# Altium PCB Volant_v2.PcbDoc (part 2 of 2)
Units mil, origin at the board's own origin, x right, y up, seen from the top; angles counter-clockwise.
Board outline 7710.03 x 3391.11 mil, 4 copper layers (Top Layer, POWER, GND, Bottom Layer), stack 30.634 mil thick; 133 components, 111 nets, 604 pads, 109 vias.
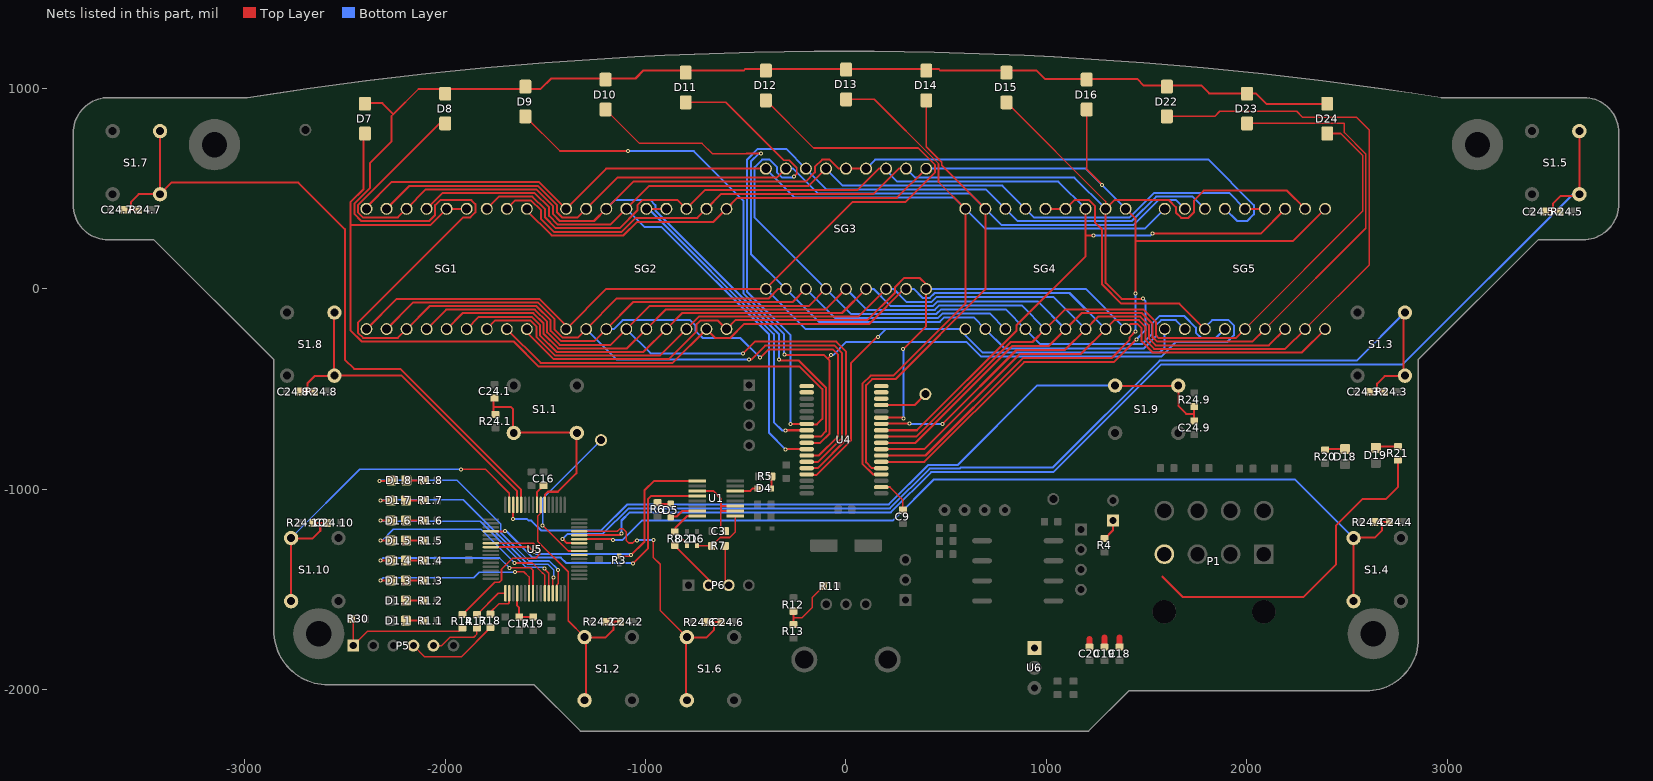
[diagram p4: the nets of this part, all layers, seen from the top]

## Via types
v1: diameter 20, hole 10, Top Layer to Bottom Layer, 109 vias

## Nets (pads, with @x,y where several pads share a name; then routed paths per layer and width w, separated by ;. In a path a pad name is that pad's centre, name@x,y a point inside that pad or via, vN(x,y) a via of type N, cw(c..) or ccw(c..) an arc to the next point about the centre after c; other vN are vias at no path point) (continued)
LED3: D1.3.K U5.23 | length 906.3
  Top Layer w8: v1@-1653,-1413 v1(-1651,-1413) -1649,-1411 -1607,-1411 -1581,-1437 U5.23@-1581,-1517.83
  Top Layer w10: v1(-2323,-1455) D1.3.K@-2270.5,-1455
  Bottom Layer w8: v1(-2323,-1455) -2308,-1440 -1857,-1440 -1830,-1413 v1(-1651,-1413)
LED4: D1.4.K U5.24 | length 959.9
  Top Layer w8: v1(-1679,-1391) -1573,-1391 -1561.32,-1402.68 U5.24@-1561.32,-1517.83
  Top Layer w10: v1(-2323,-1355) D1.4.K@-2270.5,-1355
  Bottom Layer w8: v1(-2323,-1355) -2310,-1342 -1728,-1342 v1(-1679,-1391)
LED5: D1.5.K U5.27 | length 1084.4
  Top Layer w8: v1(-1653,-1367) -1564.11,-1367 -1514.11,-1417 -1512,-1417 -1502.26,-1426.74 U5.27@-1502.26,-1517.83 U5.27@-1504.04,-1516.06
  Top Layer w10: v1(-2323,-1255) D1.5.K@-2270.5,-1255
  Bottom Layer w8: v1(-2323,-1255) -2314,-1255 -2258,-1199 -1821,-1199 v1(-1653,-1367)
LED6: D1.6.K U5.28 | length 1102
  Top Layer w8: v1(-1505,-1395) -1482.57,-1417.43 U5.28@-1482.57,-1517.83
  Top Layer w10: v1(-2323,-1155) D1.6.K@-2270.5,-1155
  Bottom Layer w8: v1(-2323,-1155) -2319,-1159 -1824.37,-1159 -1594.37,-1389 -1511,-1389 v1(-1505,-1395)
LED7: D1.7.K U5.29 | length 1182.6
  Top Layer w8: U5.29@-1462.89,-1517.83 -1462.89,-1444.89 v1(-1458,-1440)
  Top Layer w10: v1(-2323,-1055) D1.7.K@-2270.5,-1055
  Bottom Layer w8: v1(-2323,-1055) -2319,-1051 -1909.74,-1051 -1587.74,-1373 -1486.63,-1373 -1458,-1401.63 v1(-1458,-1440)
LED8: D1.8.K U5.30 | length 1285.2
  Top Layer w8: v1(-2328,-958) -2271.5,-958 D1.8.K@-2268.5,-955 ; U5.30@-1443.2,-1517.83 -1441.43,-1516.06 -1441.43,-1474.98 -1436,-1469.56 v1(-1436,-1401)
  Bottom Layer w8: v1(-2328,-958) -2324,-954 -1940,-954 -1722,-1172 -1722,-1216.11 -1581.11,-1357 -1480,-1357 v1(-1436,-1401)
MCLR: P5.1 R14.2 R30.1 | length 716.4
  Top Layer w8: R30.1@-2465.46,-1646 -2458,-1653.46 P5.1@-2458,-1779 -2387,-1708 -1930.54,-1708 R14.2@-1914,-1691.46
NetC3_1: C3.1 U1.3 U1.10 U1.11 | length 467.3
  Top Layer w8: -624,-1108 -624,-1184.54 C3.1@-586.77,-1221.77
  Top Layer w10: U1.3@-741.95,-1007.5 -662.5,-1007.5 -624,-1046 -624,-1082.5 ; U1.10@-552.98,-1107.5 -623.5,-1107.5 -624,-1108 -624,-1082.5 ; U1.11@-552.98,-1082.5 -624,-1082.5
NetC16_2: C16.2 U5.56 | length 110
  Top Layer w10: U5.56@-1541.63,-1076.89 -1541.63,-1014.45 C16.2@-1508.01,-980.83
NetC17_2: C17.2 R19.1 U5.20 | length 192.9
  Top Layer w10: U5.20@-1640.06,-1517.83 -1640.06,-1579.94 -1630,-1590 C17.2@-1630,-1636.54 R19.1@-1560,-1636.54
NetD1.1_A: D1.1.A R1.1.1 | length 89
  Top Layer w10: D1.1.A@-2195.5,-1655 R1.1.1@-2106.46,-1655
NetD1.2_A: D1.2.A R1.2.1 | length 89
  Top Layer w10: D1.2.A@-2195.5,-1555 R1.2.1@-2106.46,-1555
NetD1.3_A: D1.3.A R1.3.1 | length 89
  Top Layer w10: D1.3.A@-2195.5,-1455 R1.3.1@-2106.46,-1455
NetD1.4_A: D1.4.A R1.4.1 | length 89
  Top Layer w10: D1.4.A@-2195.5,-1355 R1.4.1@-2106.46,-1355
NetD1.5_A: D1.5.A R1.5.1 | length 89
  Top Layer w10: D1.5.A@-2195.5,-1255 R1.5.1@-2106.46,-1255
NetD1.6_A: D1.6.A R1.6.1 | length 89
  Top Layer w10: D1.6.A@-2195.5,-1155 R1.6.1@-2106.46,-1155
NetD1.7_A: D1.7.A R1.7.1 | length 89
  Top Layer w10: D1.7.A@-2195.5,-1055 R1.7.1@-2106.46,-1055
NetD1.8_A: D1.8.A R1.8.1 | length 87
  Top Layer w10: D1.8.A@-2193.5,-955 R1.8.1@-2106.46,-955
NetD4_A: D4.A R5.1 | length 61.4
  Top Layer w10: D4.A@-374,-995 -370.54,-991.54 R5.1@-370.54,-935
NetD4_K: D4.K U1.14 | length 117.2
  Top Layer w10: U1.14@-552.98,-1007.5 -477.5,-1007.5 -465,-995 D4.K@-440.93,-995
NetD5_A: D5.A R6.1 | length 68.1
  Top Layer w10: R6.1@-940,-1066.54 -935,-1071.54 D5.A@-874,-1071.54
NetD5_K: D5.K U1.7 | length 144.9
  Top Layer w10: D5.K@-874,-1138.46 -870.54,-1135 -844,-1135 -816.5,-1107.5 U1.7@-741.95,-1107.5
NetD6_K: D6.K R7.1 U1.9 | length 300.3
  Top Layer w8: D6.K@-744,-1280.43 -671.03,-1280.43 R7.1@-669.46,-1282 -627.15,-1239.69 -580.44,-1239.69 -552.98,-1212.22 U1.9@-552.98,-1132.5
NetD18_A: D18.A R20.1 | length 101.7
  Top Layer w10: R20.1@2390,-802.54 2394.04,-798.5 D18.A@2490,-798.5
NetD19_A: D19.A R21.1 | length 112.5
  Top Layer w10: D19.A@2643,-792.5 2648.96,-786.54 R21.1@2753,-786.54
NetD21_K: D21.K R8.1 U1.8 | length 245.4
  Top Layer w8: R8.1@-850.54,-1215 -794,-1271.54 D21.K@-794,-1280.43
  Top Layer w10: R8.1@-850.54,-1215 -850.54,-1191.54 -791.5,-1132.5 U1.8@-741.95,-1132.5
NetJP1_1: JP1.1 R4.1 | length 107.9
  Top Layer w10: R4.1@1290,-1245.54 1332,-1203.54 JP1.1@1332,-1155
NetR11_2: R11.2 R12.1 R13.2 | length 312.4
  Top Layer w8: R13.2@-262,-1674.54 -262,-1641 ; R12.1@-262,-1607.46 -262,-1641 ; R11.2@-111.46,-1482 -169,-1539.54 -169,-1589 -221,-1641 -262,-1641
NetR14_1: R14.1 U5.7 | length 822.4
  Top Layer w8: R14.1@-1914,-1624.54 -1752.37,-1462.91 -1729.1,-1462.91 -1718.61,-1452.42 -1718.61,-1397.61 -1664,-1343 -1548,-1343 -1529,-1324 -1529,-1299 -1560.17,-1267.83 U5.7@-1771.94,-1267.83
NetR17_2: R17.2 U5.17 | length 186.1
  Top Layer w8: R17.2@-1841,-1624.54 -1734.3,-1517.83 U5.17@-1699.11,-1517.83
NetR18_2: R18.2 U5.18 | length 171.7
  Top Layer w8: R18.2@-1774,-1622.54 -1774,-1612.41 -1732.76,-1571.17 -1685.21,-1571.17 -1681.2,-1567.16 -1681.2,-1519.61 U5.18@-1679.43,-1517.83
NetTP4_1: TP4.1 U5.40 | length 781.2
  Top Layer w8: v1(-1513,-1180) -1385.8,-1307.2 U5.40@-1331,-1307.2
  Bottom Layer w8: v1(-1513,-1180) -1513,-1045 TP4.1@-1222,-754
O0: D7.A SG1.13 SG1.14 SG3.16 SG4.16 SG5.16 U4.7 | length 8349.4
  Top Layer w10: D7.A@-2407,768 -2407,497 -2472,432 -2472,319 ; SG1.13@-1892,400 SG1.14@-1992,400 -2072,320 -2471,320 -2472,319 ; v1(-276,-674) -275.26,-673.26 U4.7@-196.02,-673.26 -194.28,-675 -145,-675 -118,-648 -118,-500 -231,-387 -1533.28,-387 -1658.28,-262 -2415.6,-262 -2472,-205.6 -2472,319
  Bottom Layer w10: v1(-276,-674) -276,-231 -494,-13 -494,645.28 -440.78,698.5 -298.5,698.5 SG3.16@-200,600 -95.47,495.47 699.53,495.47 SG4.16@795,400 857,338 1424.26,338 1547.26,461 1729,461 SG5.16@1790,400
O1: SG2.13 SG2.14 U4.8 | length 1640.7
  Top Layer w10: SG2.14@-996,400 SG2.13@-896,400 ; v1(-301,-706) -299.76,-704.76 U4.8@-196.02,-704.76
  Bottom Layer w10: SG2.14@-996,400 -985.1,400 -360,-225.1 -360,-664 -318,-706 v1(-301,-706) ; SG2.13@-896,375 SG2.13@-896,400
O2: D8.A SG1.16 SG2.16 SG3.13 SG3.14 SG5.15 U4.9 | length 7691.8
  Top Layer w10: D8.A@-1999.5,825.75 -2027.06,825.75 -2435,417.81 -2435,382.19 -2409.81,357 -2235,357 SG1.16@-2192,400 -2095.47,496.53 -1545.44,496.53 -1461,412.09 -1461,373.08 -1426.92,339 -1257,339 SG2.16@-1196,400 -1061,535 -201.36,535 -155,581.36 -155,608.64 -118.64,645 -81.36,645 -36.36,600 SG3.14@0,600 SG3.13@100,600 ; v1(-335,-352) -335,-355.72 -333.72,-357 -234.46,-357 -100,-491.46 -100,-710.58 -125.67,-736.25 U4.9@-196.02,-736.25
  Bottom Layer w10: SG2.16@-1196,400 -1151,445 -977.36,445 -951,418.64 -951,391.36 -335,-224.64 v1(-335,-352) ; SG3.13@100,600 145,645 1808.64,645 2035,418.64 2035,372 2002,339 1951,339 SG5.15@1890,400
O3: D9.A SG4.13 SG4.14 SG5.3 U4.10 | length 6502.5
  Top Layer w8: D9.A@-1599.5,860.75 -1426.75,688 v1(-1087,688)
  Top Layer w10: v1(-308,-328) -307.28,-328.72 -110.72,-328.72 -92,-347.43 ; U4.10@-196.02,-767.75 -128.88,-767.75 -82,-720.86 -82,-357.43 -92,-347.43 ; v1@-74.28,-329.72 -92,-347.43 ; SG4.14@995,400 SG4.13@1095,400 1140,445 1142,443 1212.81,443 1243,412.81 1243,331 1277,297 1277,23.54 1373.54,-73 1663,-73 SG5.3@1790,-200
  Bottom Layer w10: v1(-1087,688) -759,688 -512,441 -512,-22 -309,-225 v1@-309,-328 ; v1(-74,-330) -64,-330 2,-264 600.72,-264 674.72,-338 1572.28,-338 1645.76,-264.53 1901.47,-264.53 1934.53,-231.47 1934.53,-181.56 1908.44,-155.47 1826.53,-155.47 1790,-192 SG5.3@1790,-200
O4: SG1.15 SG2.15 SG3.15 SG4.15 SG5.13 SG5.14 U4.11 | length 6294.3
  Top Layer w10: SG1.15@-2092,400 -2092,400.46 -2013.93,478.53 -1552.89,478.53 -1481,406.63 -1481,364.79 -1437.21,321 -1175,321 SG2.15@-1096,400 -982,514 -186,514 SG3.15@-100,600 ; v1(-302,-800) -301.24,-799.24 U4.11@-196.02,-799.24 ; SG5.14@1990,400 SG5.13@2090,400
  Bottom Layer w10: SG2.15@-1096,400 -1006,310 -920.55,310 -384,-226.55 -384,-718 v1(-302,-800) ; SG3.15@-104,597 SG3.15@-101,600 ; SG3.15@-100,600 -15.47,515.47 779.53,515.47 SG4.15@895,400 939,356 1413.97,356 1536.97,479 1911,479 SG5.14@1990,400
O5: D7.K D8.K D9.K D10.K D11.K D12.K D13.K D14.K D15.K D16.K D22.K D23.K D24.K SG1.3 SG2.3 SG3.3 SG4.3 U4.12 | length 12682.9
  Top Layer w8: -2267,736 -2267,863 -2258,872 -2132,998
  Top Layer w10: D7.K@-2391.73,947 -2371.73,927 -2313,927 -2258,872 ; -2267,736 -2373.73,629.27 -2373.73,504.81 -2453,425.54 -2453,374.73 -2417.27,339 -2079,339 -2049,369 -2049,418 -2024,443 -1869.32,443 -1849,422.68 -1849,382.19 -1874.19,357 -1910,357 -2434.53,-167.53 -2434.53,-217.62 -2408.14,-244 -2236,-244 SG1.3@-2192,-200 -2077,-85 -1545.03,-85 -1473,-157.03 -1473,-208.6 -1421.07,-260.53 -1256.53,-260.53 SG2.3@-1196,-200 -1061,-65 -265,-65 SG3.3@-200,0 ; -2132,998 -1523,998 -1471,1050 -1050,1050 -1010,1090 -510,1090 -503,1097 463,1097 470,1090 950,1090 992,1048 1452,1048 1486,1014 1774,1014 1812,976 2044,976 2097,923 2382.22,923 D24.K@2391.73,913.48 ; v1(-428,-343) -386,-301 -67,-301 -39,-329 -39,-734.43 -135.31,-830.74 U4.12@-196.02,-830.74
  Bottom Layer w10: SG2.3@-1196,-200 -1158.97,-200 -1114.44,-155.47 -777.56,-155.47 -751.47,-181.56 -751.47,-207.5 -714.44,-244.53 -526.47,-244.53 v1(-428,-343) ; SG3.3@-200,0 -55.47,-144.53 459.86,-144.53 482.39,-122 717,-122 SG4.3@795,-200
O6: D10.A SG1.2 SG2.2 SG3.2 SG4.2 SG5.2 U4.13 | length 8165.7
  Top Layer w8: D10.A@-1199.5,895.75 -1029.75,726 -718,726 -667.5,675.5 -496.46,675.5
  Top Layer w10: SG1.2@-2292,-200 -2159,-67 -1537.58,-67 -1455,-149.58 -1455,-201.14 -1413.62,-242.53 -1338.53,-242.53 SG2.2@-1296,-200 -1143,-47 -384.03,-47 -337.03,0 SG3.2@-300,0 ; -496.46,675.5 v1(-424.5,675.5) ; v1(-483,-352) -472.36,-352 -403.36,-283 -56.72,-283 -19,-320.72 -19,-742.72 -138.52,-862.24 U4.13@-196.02,-862.24
  Bottom Layer w10: SG2.2@-1296,-200 -1144,-352 v1(-483,-352) ; v1(-424.5,675.5) -435.5,675.5 -474,637 -474,174 SG3.2@-300,0 -135.47,-164.53 468.15,-164.53 490.68,-142 637,-142 SG4.2@695,-200 793,-298 1484,-298 1545.47,-236.53 1545.47,-181.56 1571.56,-155.47 1645.47,-155.47 SG5.2@1690,-200
O7: D11.A SG1.4 SG2.4 SG3.4 SG4.4 SG5.4 U4.14 | length 8189.6
  Top Layer w8: D11.A@-799.5,930.75 -599.75,930.75 -311,642 -282.6,642 -245,604.4 -245,574
  Top Layer w10: SG1.4@-2092,-200 -1995,-103 -1552.49,-103 -1491,-164.49 -1491,-216.05 -1428.53,-278.53 -1174.53,-278.53 SG2.4@-1096,-200 -980,-84 -184,-84 SG3.4@-100,0 ; v1(-513,-321) -455,-263 -48.43,-263 1,-312.43 1,-751 -141.73,-893.73 U4.14@-196.02,-893.73 ; v1(-260,560) -259,560 -245,574
  Bottom Layer w10: SG2.4@-1096,-200 -975,-321 v1(-513,-321) ; v1(-260,560) -265,555 -318.64,555 -345,581.36 -345,608.64 -381.36,645 -418.64,645 -456,607.64 -456,356 SG3.4@-100,0 24.53,-124.53 451.58,-124.53 474.11,-102 797,-102 SG4.4@895,-200 970,-275 1476.47,-275 1525.47,-226 1525.47,-173.27 1563.27,-135.47 1688.44,-135.47 1745.47,-192.5 1745.47,-218.44 1771.56,-244.53 1845.47,-244.53 SG5.4@1890,-200
O8: D12.A SG1.1 SG2.1 SG3.1 SG4.1 SG5.1 U4.15 | length 7478.9
  Top Layer w8: D12.A@-399.5,940.75 -161.75,703 359.97,703 444.53,618.44
  Top Layer w10: SG1.1@-2392,-200 -2241,-49 -1530.12,-49 -1396,-183.12 SG2.1@-1396,-200 -1196,0 SG3.1@-400,0 34,434 296.97,434 444.53,581.56 444.53,618.44 ; U4.15@-196.02,-925.23 -196.02,-926.98 -146.69,-926.98 24,-756.28 24,-370 155,-239 v1(160,-239) v1@160,-236
  Bottom Layer w10: SG3.1@-400,0 -200,-200 199,-200 ; v1(160,-239) 199,-200 ; SG5.1@1590,-200 1590,-292 1564,-318 683,-318 595,-230 SG4.1@595,-200 199,-200
O9: D13.A SG1.18 SG2.18 SG3.18 SG4.18 SG5.18 U4.22 | length 6891.5
  Top Layer w8: D13.A@0.5,945.75 141.26,945.75 461.53,625.49 461.53,533.47 SG4.18@595,400
  Top Layer w10: SG1.18@-2392,400 -2392,408 -2267.47,532.53 -1530.53,532.53 -1408.15,410.15 -1408.15,400 SG2.18@-1396,400 -1196,600 SG3.18@-400,600 ; U4.22@176.02,-925.23 134.77,-925.23 82,-872.46 82,-472.54 122.54,-432 236.72,-432 595,-73.72 SG4.18@595,400
  Bottom Layer w10: SG3.18@-400,600 -255.47,455.47 539.53,455.47 SG4.18@595,400 693,302 1492,302 SG5.18@1590,400
O10: D14.A SG1.17 SG2.17 SG3.17 SG4.17 SG5.17 U4.23 | length 6731.9
  Top Layer w8: D14.A@400.5,940.75 400.5,709.14 477.53,632.11 477.53,617.47 SG4.17@695,400
  Top Layer w10: SG1.17@-2292,400 -2177.47,514.53 -1537.98,514.53 -1441,417.54 -1441,381.36 -1416.64,357 -1339,357 SG2.17@-1296,400 -1141,555 -345,555 SG3.17@-300,600 ; U4.23@176.02,-893.73 128.73,-893.73 100,-865 100,-480 130,-450 247,-450 695,-2 SG4.17@695,400
  Bottom Layer w10: SG3.17@-300,600 -263.64,600 -139.11,475.47 619.53,475.47 SG4.17@695,400 775,320 1434.54,320 1557.54,443 1647,443 SG5.17@1690,400
O11: D15.A SG1.11 SG2.11 SG3.11 SG4.11 SG5.11 U4.24 | length 7617.4
  Top Layer w8: D15.A@800.5,930.75 1295,436.25 SG4.11@1295,400
  Top Layer w10: SG1.11@-1692,400 -1649.47,442.53 -1571.56,442.53 -1521,391.97 -1521,348.22 -1457.78,285 -1119.08,285 -1049.08,355 -741,355 SG2.11@-696,400 -622,474 137.64,474 263.64,600 SG3.11@300,600 ; U4.24@176.02,-862.24 390.5,-862.24 888.21,-364.53 1335.47,-364.53 v1(1448,-252) ; 1376.56,444.53 1413.44,444.53 ; v1@1482,-49 1375,-49 1295,31 SG4.11@1295,400 1340,445 1608.64,445 1645,408.64 1645,381.36 1671.36,355 1708.64,355 1735,381.36 1735,441 1784,490 2200,490 SG5.11@2290,400
  Bottom Layer w10: SG3.11@300,600 344.53,555.47 1139.53,555.47 SG4.11@1295,400 ; v1(1448,-252) 1493,-207 1493,-59 v1(1482,-48)
O12: D16.A SG1.10 SG2.10 SG3.10 SG4.10 SG5.10 U4.25 | length 6860.2
  Top Layer w8: D16.A@1200.5,895.75 1200.5,600.5 1199,599 1278,520 v1(1278,519) v1@1280,517
  Top Layer w10: SG1.10@-1592,400 -1592,390.94 -1468.06,267 -1110,267 -1042,335 -661,335 SG2.10@-596,400 -542,454 254,454 SG3.10@400,600 ; U4.25@176.02,-830.74 396.54,-830.74 882.75,-344.53 1324.47,-344.53 1415,-254 1415,-241 v1(1444,-212) ; SG4.10@1395,400 1445,350 v1(1445,-22) ; 1445,239 2229,239 SG5.10@2390,400 SG5.10@2391.73,401.73
  Bottom Layer w10: SG3.10@400,600 1195,600 SG4.10@1395,400 ; v1(1444,-212) 1444,-23 v1(1445,-22)
O13: D22.A SG1.8 SG2.8 SG3.8 SG4.8 SG5.8 U4.26 | length 8053.2
  Top Layer w8: D22.A@1600.5,860.75 1838.75,860.75 1864,886 2248,886 2277,857 2546,857 2610,793 2610,120 SG5.8@2290,-200
  Top Layer w10: SG1.8@-1692,-200 -1523,-369 -865,-369 SG2.8@-696,-200 -651.47,-244.53 -577.56,-244.53 -507.03,-174 117.26,-174 291.26,0 SG3.8@300,0 ; U4.26@176.02,-799.24 391.11,-799.24 865.83,-324.53 1170.47,-324.53 SG4.8@1295,-200 1339,-156 1460.63,-156 1493,-188.37 1493,-254.37 1537.63,-299 2191,-299 SG5.8@2290,-200
  Bottom Layer w10: SG3.8@300,0 337.03,0 381.56,-44.53 418.44,-44.53 442.97,-20 1115,-20 SG4.8@1295,-200
O14: D23.A SG1.6 SG2.6 SG3.6 SG4.6 SG5.6 U4.27 | length 7417.3
  Top Layer w8: D23.A@2000.5,825.75 2486.25,825.75 2486.25,780.38 2593,673.63 2593,303 SG5.6@2090,-200
  Top Layer w10: SG1.6@-1892,-200 -1831,-139 -1567.4,-139 -1527,-179.4 -1527,-230.97 -1443.44,-314.53 -1010.53,-314.53 SG2.6@-896,-200 -816,-120 -20,-120 SG3.6@100,0 ; U4.27@176.02,-767.75 346.79,-767.75 830.01,-284.53 1010.47,-284.53 SG4.6@1095,-200 1175,-120 1475.54,-120 1529,-173.46 1529,-239.46 1552.54,-263 2027,-263 SG5.6@2090,-200
  Bottom Layer w10: SG3.6@100,0 137.03,0 221.56,-84.53 435.01,-84.53 457.54,-62 957,-62 SG4.6@1095,-200
O15: D24.A SG1.5 SG2.5 SG3.5 SG4.5 SG5.5 U4.28 | length 6871.9
  Top Layer w8: SG5.5@1990,-200 2577,387 2577,667 2468.25,775.75 D24.A@2400.5,775.75
  Top Layer w10: SG1.5@-1992,-200 -1913,-121 -1559.95,-121 -1509,-171.95 -1509,-223.51 -1435.98,-296.53 -1092.53,-296.53 SG2.5@-996,-200 -898,-102 -102,-102 SG3.5@0,0 ; U4.28@176.02,-736.25 350,-736.25 821.73,-264.53 930.47,-264.53 SG4.5@995,-200 1093,-102 1483,-102 1547,-166 1547,-232 1560,-245 1945,-245 SG5.5@1990,-200
  Bottom Layer w10: SG3.5@0,0 104.53,-104.53 443.3,-104.53 465.82,-82 877,-82 SG4.5@995,-200
O16: SG1.12 SG2.12 SG3.12 SG4.12 SG5.12 U4.29 | length 6048
  Top Layer w10: SG1.12@-1792,400 -1731.47,460.53 -1564.1,460.53 -1501,397.43 -1501,356.51 -1447.49,303 -1129.36,303 -1041,391.36 -1041,418.64 -1014.64,445 -841,445 SG2.12@-796,400 -702,494 57.64,494 163.64,600 SG3.12@200,600 ; U4.29@176.02,-704.76 353.22,-704.76 850.47,-207.5 850.47,-181.56 1195,162.97 1195,268 ; SG4.12@1195,400 1195,268 ; v1(1234,267) 1196,267 1195,268 ; v1(1529,276) 2069,276 2190,397 SG5.12@2190,400
  Bottom Layer w10: SG3.12@200,600 200,592 256.53,535.47 1059.53,535.47 SG4.12@1195,400 ; v1(1234,267) 1520,267 v1(1529,276)
O17: SG1.7 SG2.7 SG3.7 SG4.7 SG5.7 U4.30 | length 5735.6
  Top Layer w10: SG1.7@-1778,-186 SG1.7@-1792,-200 -1749,-157 -1574.86,-157 -1545,-186.86 -1545,-238.42 -1450.89,-332.53 -928.53,-332.53 SG2.7@-796,-200 -734,-138 62,-138 SG3.7@200,0 ; U4.30@176.02,-673.26 177.28,-672 v1(316,-672) ; v1(482,-673) 850.47,-304.53 1090.47,-304.53 SG4.7@1195,-200 1257,-138 1468.09,-138 1511,-180.91 1511,-246.91 1545.09,-281 2109,-281 SG5.7@2190,-200
  Bottom Layer w10: SG3.7@200,0 237.03,0 301.56,-64.53 426.73,-64.53 450.26,-41 1036,-41 SG4.7@1195,-200 ; v1(316,-672) 317,-673 v1(482,-673)
O18: SG1.9 SG2.9 SG3.9 SG4.9 SG5.9 U4.31 | length 5376.1
  Top Layer w10: SG1.9@-1592,-200 -1592,-216.88 -1458.35,-350.53 -883.56,-350.53 -745,-211.97 -745,-176 -726.47,-157.47 -638.53,-157.47 SG2.9@-596,-200 -552,-156 106.97,-156 244.53,-18.44 244.53,9.53 289,54 369,54 400,23 SG3.9@400,0 400,-185 v1(285,-300) ; U4.31@176.02,-641.76 283.76,-641.76 v1(287,-645) ; SG4.9@1395,-200 1421,-174 1453.18,-174 1475,-195.82 1475,-261.82 1530.18,-317 2273,-317 SG5.9@2390,-200
  Bottom Layer w10: v1(285,-300) 287,-302 v1(287,-645) ; SG3.9@400,0 1195,0 SG4.9@1395,-200
OSC: U5.39
OSC_LD: C9.2 U4.20 | length 183.8
  Top Layer w8: 218.31,-988.22 284,-1053.91 C9.2@284,-1102.54
  Top Layer w10: U4.20@176.02,-988.22 218.31,-988.22
OSC_OUT: TP5.1 U4.33 | length 242.2
  Top Layer w10: U4.33@176.02,-578.77 342.23,-578.77 TP5.1@396,-525
OUT3: C24.1.2 R24.1.2 S1.1.1 U5.54 | length 1097.5
  Top Layer w10: C24.1.2@-1758,-544.46 -1758,-590 ; R24.1.2@-1749,-625.54 -1758,-616.54 -1758,-590 ; S1.1.1@-1678.37,-733 S1.1.1@-1660.48,-715.11 ; U5.54@-1502.26,-1076.89 -1502.26,-1027.26 -1486.54,-1011.54 -1437.54,-1011.54 -1345.52,-919.52 -1345.52,-715.11 S1.1.1@-1660.48,-715.11 ; -1758,-590 -1669.96,-590 -1660.48,-599.48 S1.1.1@-1660.48,-715.11
OUT4: C24.2.2 R24.2.2 S1.2.1 U5.55 | length 1333
  Top Layer w8: U5.55@-1521.94,-1076.89 -1523.72,-1078.67 -1523.72,-1119.74 -1537,-1133.02 -1537,-1259.43 -1385.93,-1410.5 -1385.93,-1654.7 S1.2.1@-1304.11,-1736.52
  Top Layer w10: S1.2.1@-1298.11,-2042.48 -1298.11,-1737.52 -1198.52,-1737.52 -1161,-1700 -1161,-1660 ; R24.2.2@-1197.54,-1660 C24.2.2@-1124.46,-1660
OUT5: C24.3.2 R24.3.2 S1.3.1 U5.42 | length 5349.9
  Top Layer w10: v1(-1414,-1247) -1393.48,-1267.52 U5.42@-1331,-1267.52 ; C24.3.2@2612.57,-512.48 2649.11,-512.48 ; R24.3.2@2685.65,-512.48 2649.11,-512.48 ; S1.3.1@2782.11,-431.85 S1.3.1@2782.11,-119.52 ; S1.3.1@2789.11,-431.85 2792.22,-434.96 2686.63,-434.96 2649.11,-472.48 2649.11,-512.48
  Bottom Layer w10: v1(-1414,-1247) -1389,-1222 -1212.46,-1222 -1084.46,-1094 218.72,-1094 416.72,-896 566.72,-896 572.72,-890 1032.54,-890 1564.54,-358 2547.63,-358 S1.3.1@2788.11,-117.52
OUT6: C24.4.2 R24.4.2 S1.4.1 U5.43 | length 4690.6
  Top Layer w10: U5.43@-1322.24,-1248 -1167,-1248 v1(-1162,-1253) ; S1.4.1@2531.78,-1240.04 2637.37,-1240.04 2674.89,-1202.52 2674.89,-1162.52 ; S1.4.1@2531.89,-1557.48 S1.4.1@2531.89,-1242.52 ; R24.4.2@2638.35,-1162.52 C24.4.2@2711.43,-1162.52
  Bottom Layer w10: v1@-1162,-1252 v1(-1162,-1253) -1116,-1253 -1017,-1154 235.09,-1154 439.09,-950 2239.37,-950 S1.4.1@2531.89,-1242.52
OUT7: C24.5.2 R24.5.2 S1.5.1 U5.44 | length 6317.9
  Top Layer w10: U5.44@-1331,-1228.46 -1330.54,-1228 -1129,-1228 v1(-1120,-1219) ; C24.5.2@3489.35,385.52 3525.89,385.52 ; R24.5.2@3562.43,385.52 3525.89,385.52 ; S1.5.1@3658.11,472.52 S1.5.1@3658.11,787.48 ; S1.5.1@3669,463.04 3563.41,463.04 3525.89,425.52 3525.89,385.52
  Bottom Layer w10: v1(-1120,-1219) -1120,-1155 -1079,-1114 224.18,-1114 424.18,-914 1034,-914 1572,-376 2778,-376 3626.52,472.52 S1.5.1@3658.11,472.52
OUT8: C24.6.2 R24.6.2 S1.6.1 U5.45 | length 1558.3
  Top Layer w8: U5.45@-1331,-1208.78 -1140.89,-1208.78 -1129.11,-1197 -1110.89,-1197 -1097,-1210.89 -1097,-1254.11 -1084.11,-1267 -1063.48,-1267 -1051.48,-1255 v1(-1043,-1255) ; v1(-961,-1252) -961,-1339 -927,-1373 -927,-1603.63 -797.11,-1733.52 S1.6.1@-794.11,-1736.52
  Top Layer w10: S1.6.1@-797.11,-2036.48 S1.6.1@-797.11,-1733.52 ; S1.6.1@-796.11,-1738.52 -796.11,-1739 -696.41,-1739 -658.89,-1701.48 -658.89,-1661.48 ; R24.6.2@-695.43,-1661.48 C24.6.2@-622.35,-1661.48
  Bottom Layer w8: v1(-1043,-1255) -1040,-1252 v1(-961,-1252)
OUT9: C24.7.2 R24.7.2 S1.7.1 U5.60 | length 3502.5
  Top Layer w10: C24.7.2@-3602.54,395 R24.7.2@-3529.46,395 ; -3566,395 -3566,435 -3528.48,472.52 -3422.89,472.52 S1.7.1@-3421.89,473.52 ; S1.7.1@-3421.89,787.48 S1.7.1@-3421.89,473.52 ; U5.60@-1620.37,-1076.89 -1620.37,-1002.63 -2224,-399 -2454,-399 -2500,-353 -2500,298 -2732,530 -3365.41,530 S1.7.1@-3421.89,473.52
OUT10: C24.8.2 R24.8.2 S1.8.1 U5.61 | length 1809.7
  Top Layer w10: C24.8.2@-2723.65,-511.52 R24.8.2@-2650.57,-511.52 ; -2687.11,-511.52 -2687.11,-471.52 -2649.59,-434 -2544,-434 S1.8.1@-2542.89,-432.89 ; S1.8.1@-2553.89,-432.89 S1.8.1@-2553.89,-117.52 ; S1.8.1@-2553.89,-432 -2216.46,-432 -1640.06,-1008.4 U5.61@-1640.06,-1076.89
OUT11: C24.9.2 R24.9.2 S1.9.1 U5.62 | length 4011.8
  Top Layer w10: v1(-1660,-1147) -1660,-1077.15 U5.62@-1659.74,-1076.89 ; S1.9.1@1330.52,-484.89 S1.9.1@1645.48,-484.89 ; S1.9.1@1659.48,-479.43 1659.48,-585.02 1697,-622.54 1737,-622.54 ; C24.9.2@1737,-659.07 R24.9.2@1737,-586
  Bottom Layer w10: v1(-1660,-1147) -1592,-1147 -1583,-1156 -1569.54,-1156 -1521.54,-1204 -1219.91,-1204 -1089.91,-1074 213.27,-1074 409.27,-878 556.43,-878 952.54,-481.89 1333.89,-481.89 S1.9.1@1361,-509
OUT12: C24.10.2 R24.10.2 S1.10.1 U5.63 | length 1928
  Top Layer w8: v1(-1920,-900) -1798,-900 -1679.43,-1018.57 U5.63@-1679.43,-1076.89
  Top Layer w10: S1.10.1@-2768.11,-1557.48 S1.10.1@-2768.11,-1246.58 ; S1.10.1@-2768.11,-1242.52 S1.10.1@-2768.11,-1246.58 ; R24.10.2@-2659.16,-1166.69 -2622.62,-1166.69 ; C24.10.2@-2586.09,-1166.69 -2622.62,-1166.69 ; S1.10.1@-2768.11,-1246.58 -2765.73,-1244.2 -2660.14,-1244.2 -2622.62,-1206.69 -2622.62,-1166.69
  Bottom Layer w8: S1.10.1@-2768.11,-1242.52 -2425.59,-900 v1(-1920,-900)
P0: U4.1
P1: U4.2
P2: U4.34
P3: U4.35
P4: U4.36
PGEC: P5.5 R17.1 | length 270.6
  Top Layer w8: P5.5@-2058,-1779 -2016.73,-1779 -1975.2,-1737.47 -1857.47,-1737.47 -1841,-1721 R17.1@-1841,-1691.46
PGED: P5.4 R18.1 | length 466.7
  Top Layer w8: P5.4@-2158,-1779 -2103,-1834 -1918.54,-1834 R18.1@-1774,-1689.46
UART_RXD: U1.4 U5.4 | length 1384
  Top Layer w10: U5.4@-1771.94,-1208.78 -1701.78,-1208.78 v1(-1700,-1207) ; v1@-1066.5,-1365.5 -1058.5,-1365.5 -987,-1294 -987,-1047 -972.5,-1032.5 U1.4@-741.95,-1032.5
  Bottom Layer w10: v1(-1700,-1207) -1696,-1207 -1563,-1340 -1422,-1340 -1395,-1367 -1065,-1367 v1(-1063,-1369)
UART_TXD: R3.2 U1.1 U5.8 | length 1401.8
  Top Layer w8: R3.2@-1131,-1332.32 -1077.32,-1332.32 v1@-1073,-1328
  Top Layer w10: U5.8@-1763.35,-1287.52 -1579.48,-1287.52 v1(-1554,-1313) ; v1@-1073,-1328 -1005,-1260 -1005,-1005 -957.5,-957.5 U1.1@-741.95,-957.5
  Bottom Layer w10: v1(-1554,-1313) -1546,-1321 -1079,-1321 v1(-1072,-1328)
USB_D+: P6.2 R8.2 | length 273.6
  Top Layer w10: R8.2@-854,-1278.46 R8.2@-852.03,-1280.43 ; R8.2@-845.03,-1273.43 -845.03,-1289.97 -685,-1450 P6.2@-685,-1478
USB_D-: P6.3 R7.2 | length 203.3
  Top Layer w8: R7.2@-602.54,-1282 -602.54,-1460.46 P6.3@-585,-1478
VBAT: C18.2 C19.2 C20.2 P1.4 R21.2 U6.1 | length 1839.7
  Top Layer w10: 1214,-1744 1215,-1745 ; 1290,-1738 1292,-1736 ; 1365,-1738 1370,-1733 ; 1578.94,-1435 1680.94,-1537 2281,-1537 2445,-1373 2445,-1179 2577,-1047 2694,-1047 2754,-987 R21.2@2754,-856
  Top Layer w30: C20.2@1215,-1786.54 1215,-1745 ; C19.2@1290,-1786.54 1290,-1738 ; C18.2@1365,-1786.54 1365,-1738
pads on no net: C1.0 C2.0 C3.0 C4.0 C5.0 C6.0 C7.0 C8.0 C9.0 C10.0 C11.0 C12.0 C13.0 C14.0 C16.0 C17.0 C18.0 C19.0 C20.0 C21.0 C22.0 C24.1.0 C24.2.0 C24.3.0 C24.4.0 C24.5.0 C24.6.0 C24.7.0 C24.8.0 C24.9.0 C24.10.0 C25.1.0 C25.2.0 D1.1.0 D1.2.0 D1.3.0 D1.4.0 D1.5.0 D1.6.0 D1.7.0 D1.8.0 D3.0 D4.0 D5.0 D6.0 D7.0 D8.0 D9.0 D10.0 D11.0 D12.0 D13.0 D14.0 D15.0 D16.0 D18.0 D19.0 D21.0 D22.0 D23.0 D24.0 P1. P5.6 R1.1.0 R1.2.0 R1.3.0 R1.4.0 R1.5.0 R1.6.0 R1.7.0 R1.8.0 R2.1.0 R2.2.0 R3.0 R4.0 R5.0 R6.0 R7.0 R8.0 R9.0 R10.0 R11.0 R12.0 R13.0 R14.0 R17.0 R18.0 R19.0 R20.0 R21.0 R24.1.0 R24.2.0 R24.3.0 R24.4.0 R24.5.0 R24.6.0 R24.7.0 R24.8.0 R24.9.0 R24.10.0 R30.0 SW-ROT.3 SW-ROT.4 SW-ROT.5 U1.2 U1.6 U1.15 U1.16 U5.15 U5.16 U5.34 U5.64

## Polygon pours and split planes (outlines as drawn)
VBAT on Top Layer "Top Layer-No Net" (solid, remove dead copper, pour order 8): 865,-1820 890,-1845 895,-1850 1005,-1850 1070,-1850 1090,-1830 1170,-1750 1415,-1750 1544.5,-1545.5 1675,-1490 1675,-1316 1629,-1270 1465,-1270 1135,-1600 1025,-1600 865,-1760
3V3 on POWER (split plane): 266 vertices, not listed, extent -3834.99,-2184.92 3834.99,1166.1
GND on GND (split plane): 266 vertices, not listed, extent -3834.99,-2184.92 3834.99,1166.1

## Keep-outs
Keep-Out Layer:
  lines w15: -1554.99,-1975.01 -2582.05,-1975.01 cw(c-2582.05,-1702.05) -2855.02,-1702.05 -2855.02,-352.08 -3452.08,244.98 -3679.77,244.98 cw(c-3679.77,420.23) -3855.01,420.23 -3855.01,776.48 cw(c-3676.48,776.48) -3676.48,955.02 -2986.44,955.02 cw(c-8.17,-18121.97) 2969.67,955.08 ; -1324.99,-2205.02 1209.98,-2205.02 1410,-2005 2155.03,-2005 2595,-2005 ccw(c2595.74,-1745.73) 2855.02,-1746.47 2855.02,-352.08 3452.08,244.98 3675.68,244.98 ccw(c3675.68,424.32) 3855.01,424.32 3855.02,779.96 ccw(c3679.96,779.96) 3679.96,955.01 2969.89,955.02

## Other copper
POWER (plane layer: these items are gaps in the copper):
  pour cut-out: 642,-1043 642,-1053 667,-1078 667,-1128 632,-1163 627,-1158 557,-1158 527,-1128 527,-1068 552,-1043
  pour cut-out: 985,-1940 985,-1950 1010,-1975 1010,-2025 975,-2060 970,-2055 900,-2055 870,-2025 870,-1965 895,-1940

## Silkscreen, mask and mechanical layers (free items; w line width, h text height)
Top Overlay:
  lines w8: -579,-516 -677,-516 -677,-765 -578,-765 -578,-516 ; 491,-1403 393,-1403 393,-1594 492,-1594 492,-1403 ; 1395,-1404 1297,-1404 1297,-1653 1396,-1653 1396,-1404
  lines w10: -2749,850 -2639,850 -2639,912 -2749,912 -2749,850 ; -2277,-826 -2277,-814 -2277,-399.25 -2043,-399.25 -2043,-826 -2277,-826 ; 300,-465 532,-465 532,-405 300,-405 300,-465 ; 2345,-1016 2345,-661 2552,-661 2552,-1016 2345,-1016 ; 2593,-1010 2798,-1010 2798,-655 2593,-655 2593,-1010
  text "Status" at -2260,-448 h35
  text "ERROR" at -2260,-498 h35
  text "CAN" at -2260,-548 h35
  text "CS" at -658,-570 h40
  text "Debug4" at -2260,-598 h35
  text "DO" at -658,-626 h40
  text "Debug3" at -2260,-648 h35
  text "CK" at -661,-686 h40
  text "Debug2" at -2260,-698 h35
  text "RGB 2016" at 745.45,-712 h60
  text "24V" at 2613,-735 h60
  text "DI" at -658,-745 h40
  text "3V3" at 2370,-746 h60
  text "Debug1" at -2260,-748 h35
  text "Volant6 v1" at 612,-791 h60
  text "Debug0" at -2260,-798 h35
  text "RES" at 1284,-936 h35
  text "TERM" at 1265,-987 h35
  text "D+ D- 5V" at -688,-1415 h30
  text "GD" at 412,-1457 h40
  text "5V" at 1316,-1458 h40
  text "RX" at 412,-1513 h40
  text "CH" at 1316,-1514 h40
  text "TX" at 409,-1573 h40
  text "CL" at 1313,-1574 h40
  text "GD" at 1316,-1633 h40
Mechanical 1:
  lines w47.24: 2595,-2005 ccw(c2595.74,-1745.73) 2855.02,-1746.47 2855.02,-352.08 3452.08,244.98 3675.68,244.98 ccw(c3675.68,424.32) 3855.01,424.32 3855.02,779.96 ccw(c3679.96,779.96) 3679.96,955.01 2969.89,955.02 2969.67,955.08 ccw(c-8.17,-18121.97) -2986.44,955.02 -3676.48,955.02 ccw(c-3676.48,776.48) -3855.01,776.48 -3855.01,420.23 ccw(c-3679.77,420.23) -3679.77,244.98 -3452.08,244.98 -2855.02,-352.08 -2855.02,-1702.05 ccw(c-2582.05,-1702.05) -2582.05,-1975.01 -1554.99,-1975.01 -1324.99,-2205.02 1209.98,-2205.02 1410,-2005 2595,-2005 ; 2595,-2005 2595,-2005
Drill Drawing:
  lines w47.24: -1553.98,-1974.02 -1322.99,-2205.02 1209.98,-2205.02 1410,-2005 ; -3855.01,420.23 ccw(c-3679.77,420.23) -3679.77,244.98 ; -3855.01,420.23 ccw(c-3679.77,420.23) -3679.77,244.98 ; -3855.01,420.23 -3855.01,776.48 ; -3855.01,420.23 -3855.01,776.48 ; -3855.01,776.48 cw(c-3676.48,776.48) -3676.48,955.02 ; -3855.01,776.48 cw(c-3676.48,776.48) -3676.48,955.02 ; -3679.77,244.98 -3452.08,244.98 ; -3679.77,244.98 -3452.08,244.98 ; -3676.48,955.02 -2986.44,955.02 ; -3676.48,955.02 -2986.44,955.02 ; -3452.08,244.98 -2855.02,-352.08 ; -3452.08,244.98 -2855.02,-352.08 ; -2986.44,955.02 cw(c-8.17,-18121.97) 2969.67,955.08 ; -2986.44,955.02 cw(c-8.17,-18121.97) 2969.67,955.08 ; -2855.02,-1702.05 ccw(c-2582.05,-1702.05) -2582.05,-1975.01 ; -2855.02,-1702.05 ccw(c-2582.05,-1702.05) -2582.05,-1975.01 ; -2855.02,-1702.05 -2855.02,-352.08 ; -2855.02,-1702.05 -2855.02,-352.08 ; -2582.05,-1975.01 -1554.99,-1975.02 -2582.05,-1975.01 ; 1410,-2005 2595,-2005 ; 1410,-2005 2595,-2005 ; 2595,-2005 ccw(c2595.74,-1745.73) 2855.02,-1746.47 ; 2595,-2005 ccw(c2595.74,-1745.73) 2855.02,-1746.47 ; 2595,-2005 2595,-2005 ; 2595,-2005 2595,-2005 ; 2855.02,-1746.47 2855.02,-352.08 ; 2855.02,-1746.47 2855.02,-352.08 ; 2855.02,-352.08 3452.08,244.98 ; 2855.02,-352.08 3452.08,244.98 ; 2969.67,955.08 2969.89,955.02 ; 2969.67,955.08 2969.89,955.02 ; 2969.89,955.02 3679.96,955.02 ; 2969.89,955.02 3679.96,955.02 ; 3452.08,244.98 3675.68,244.98 ; 3452.08,244.98 3675.68,244.98 ; 3675.68,244.99 ccw(c3675.68,424.32) 3855.01,424.32 ; 3675.68,244.99 ccw(c3675.68,424.32) 3855.01,424.32 ; 3679.96,955.01 cw(c3679.96,779.96) 3855.01,779.96 ; 3679.96,955.01 cw(c3679.96,779.96) 3855.01,779.96 ; 3855.02,424.32 3855.02,779.96 ; 3855.02,424.32 3855.02,779.96
  text ".Legend" at 5400,813 h60

## Dimensions
-1324.99,-2205.02 to -8.17,1186.1 on Mechanical 1
-2855.02,-352.08 to 2855.02,-1746.47 on Mechanical 1
-3855.01,776.48 to 3855.02,779.96 on Mechanical 1